# Altium PCB design.PcbDoc (part 1 of 4)
Units mil, origin at the board's own origin, x right, y up, seen from the top; angles counter-clockwise.
Board outline 4704.72 x 3503.94 mil, 6 copper layers (Top, GND, S3, S14, Power, Bottom), stack 57.09 mil thick; 326 components, 365 nets, 1536 pads, 493 vias.
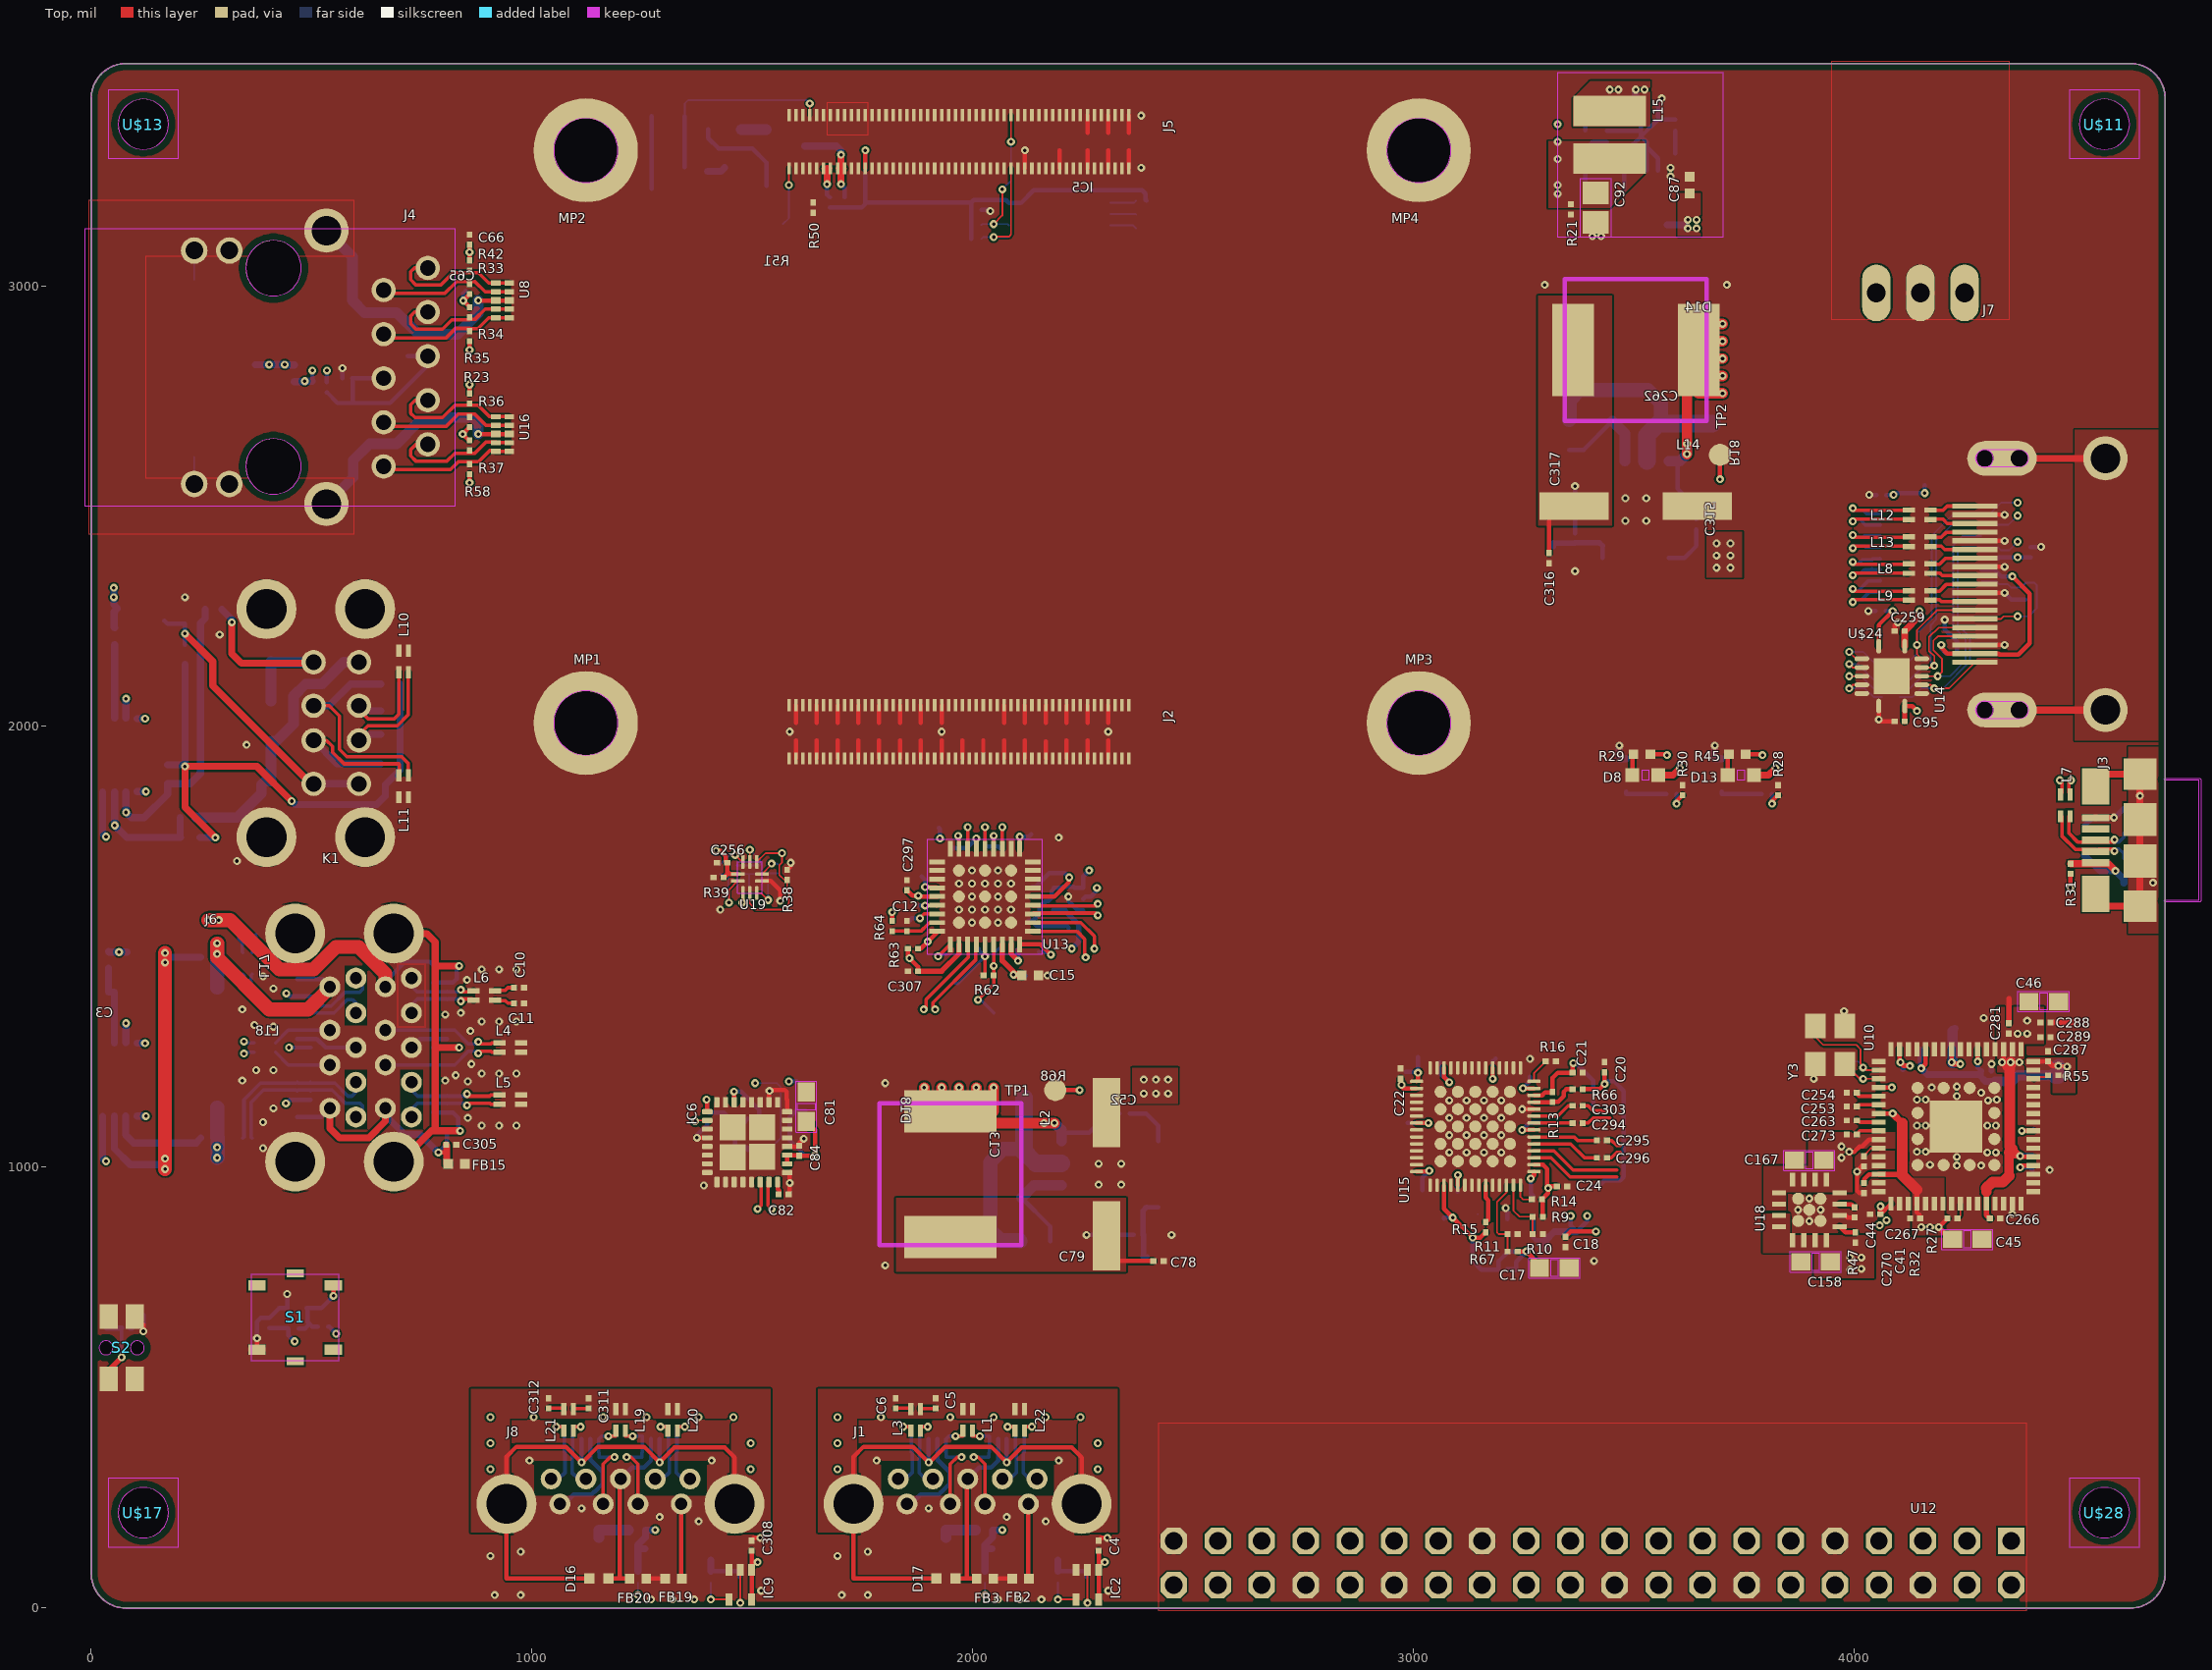
[diagram p0: Top view]
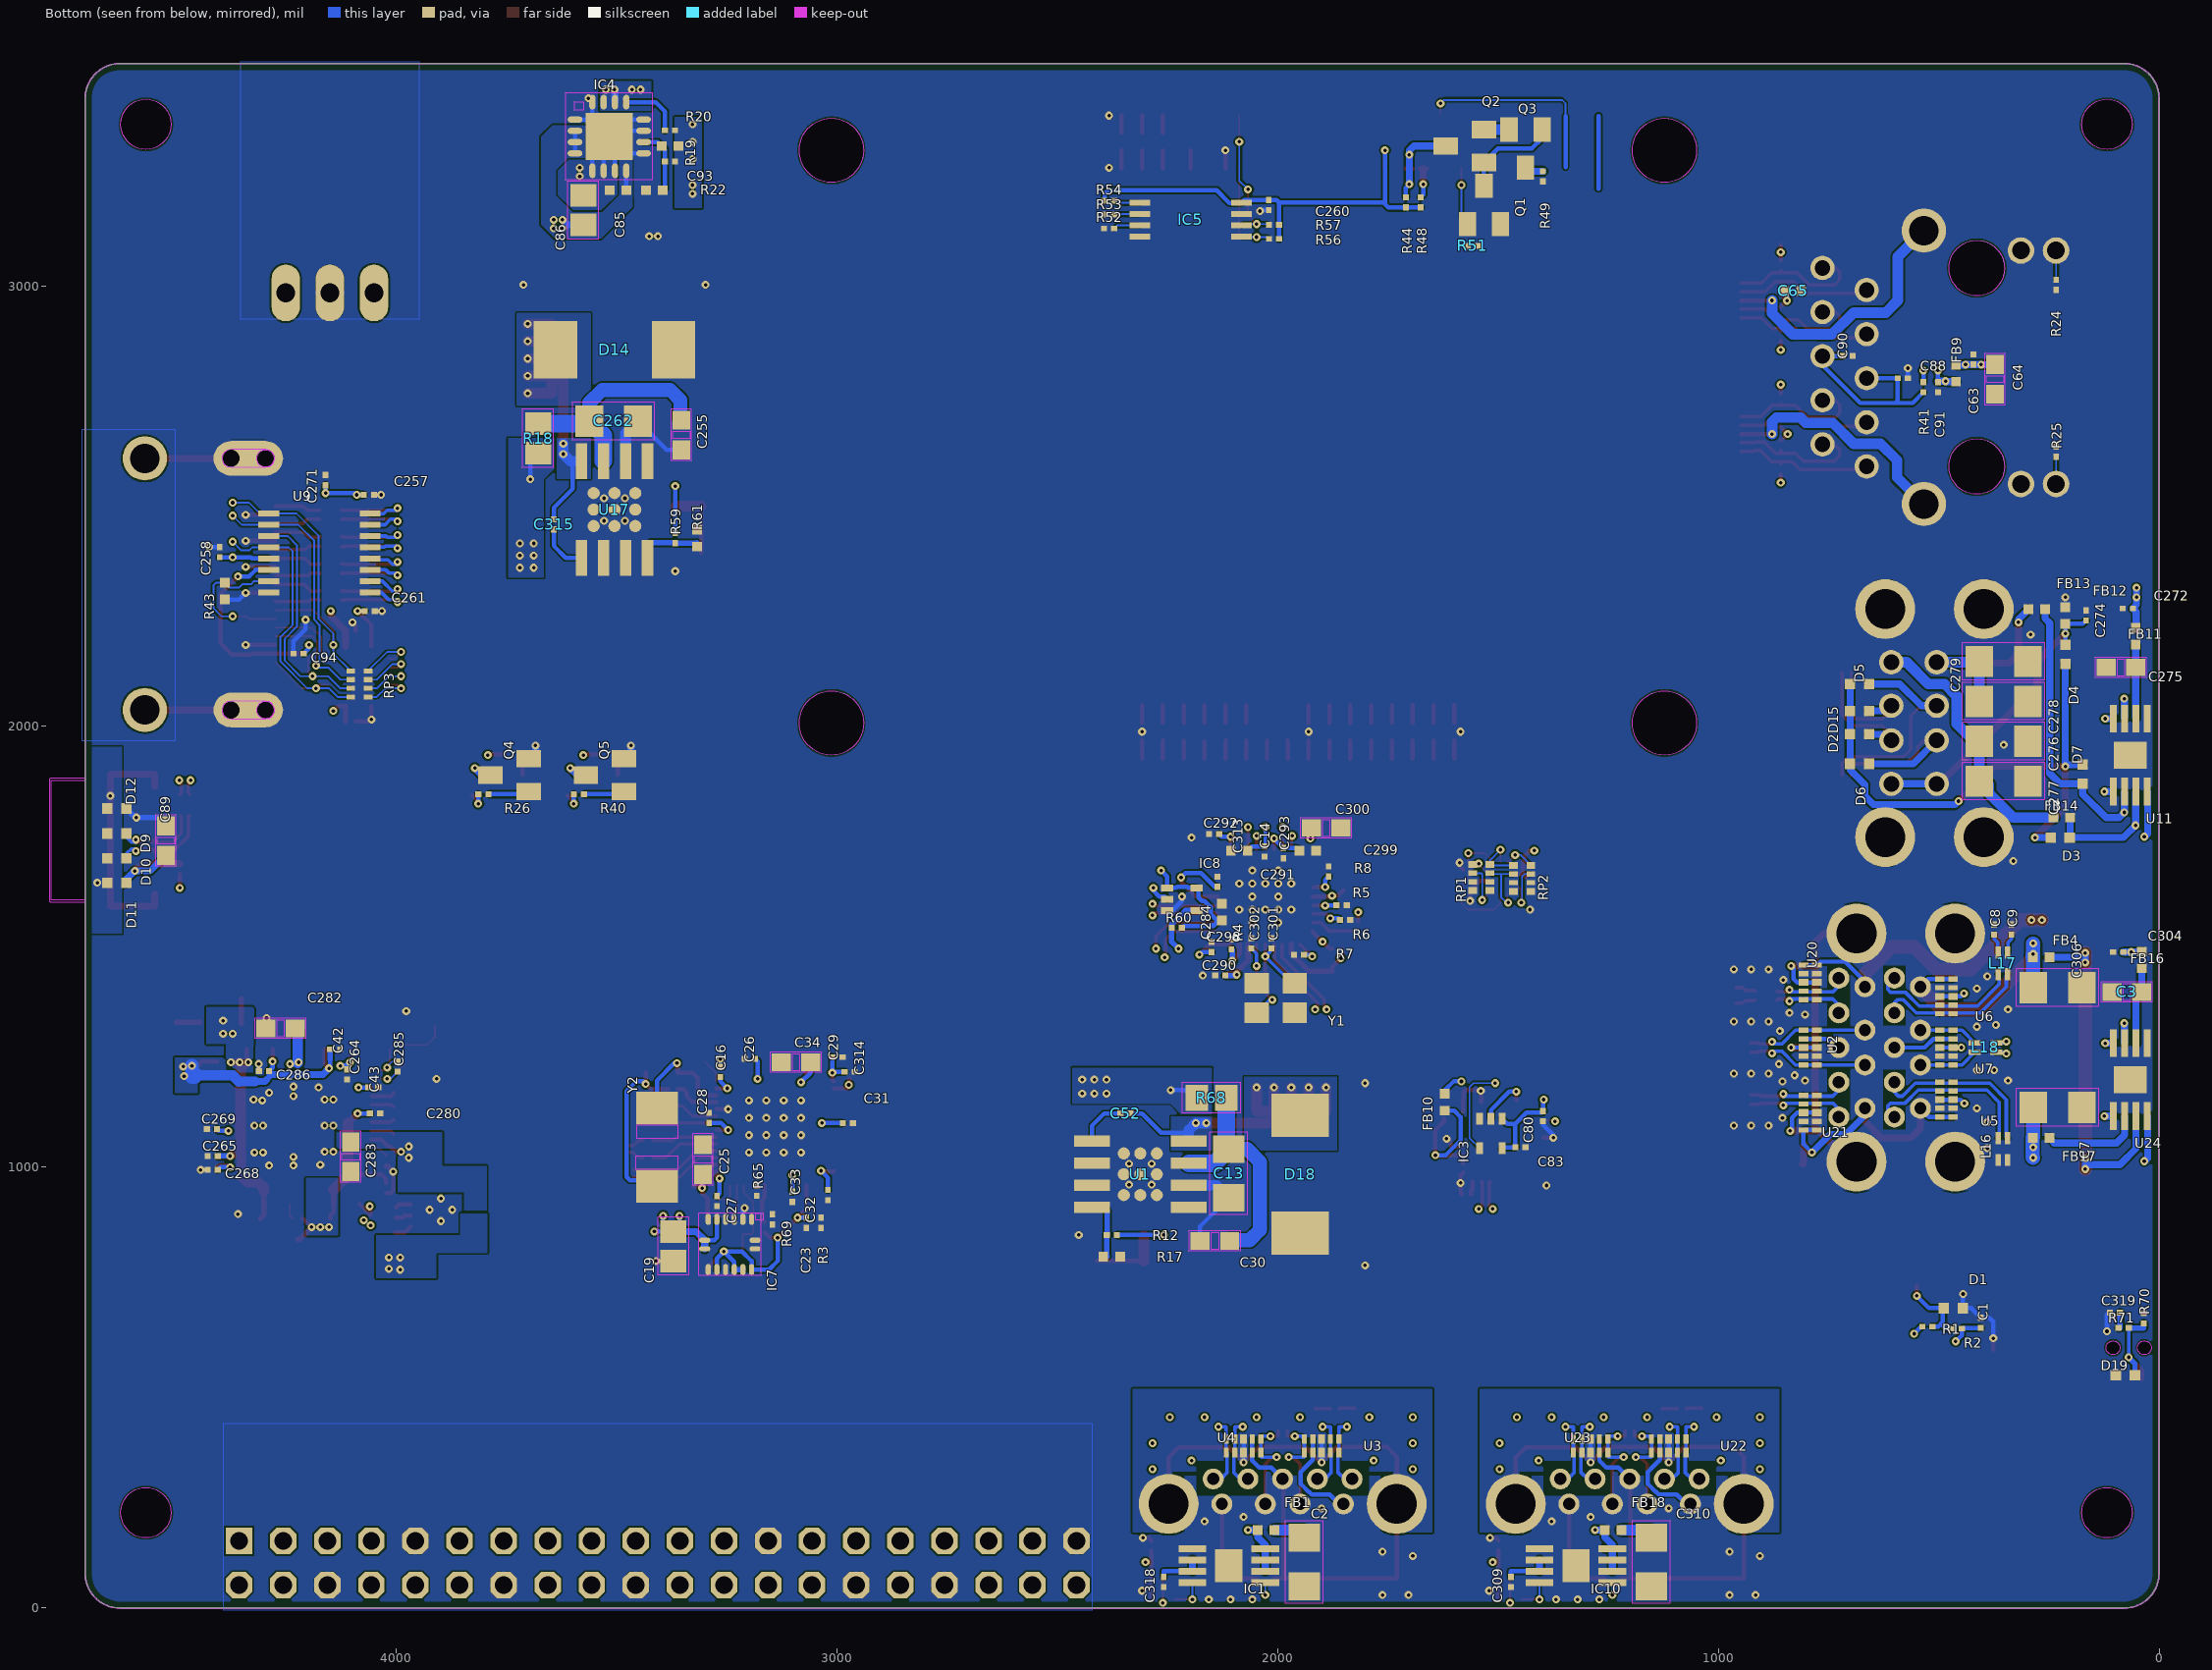
[diagram p1: Bottom view, seen from below]
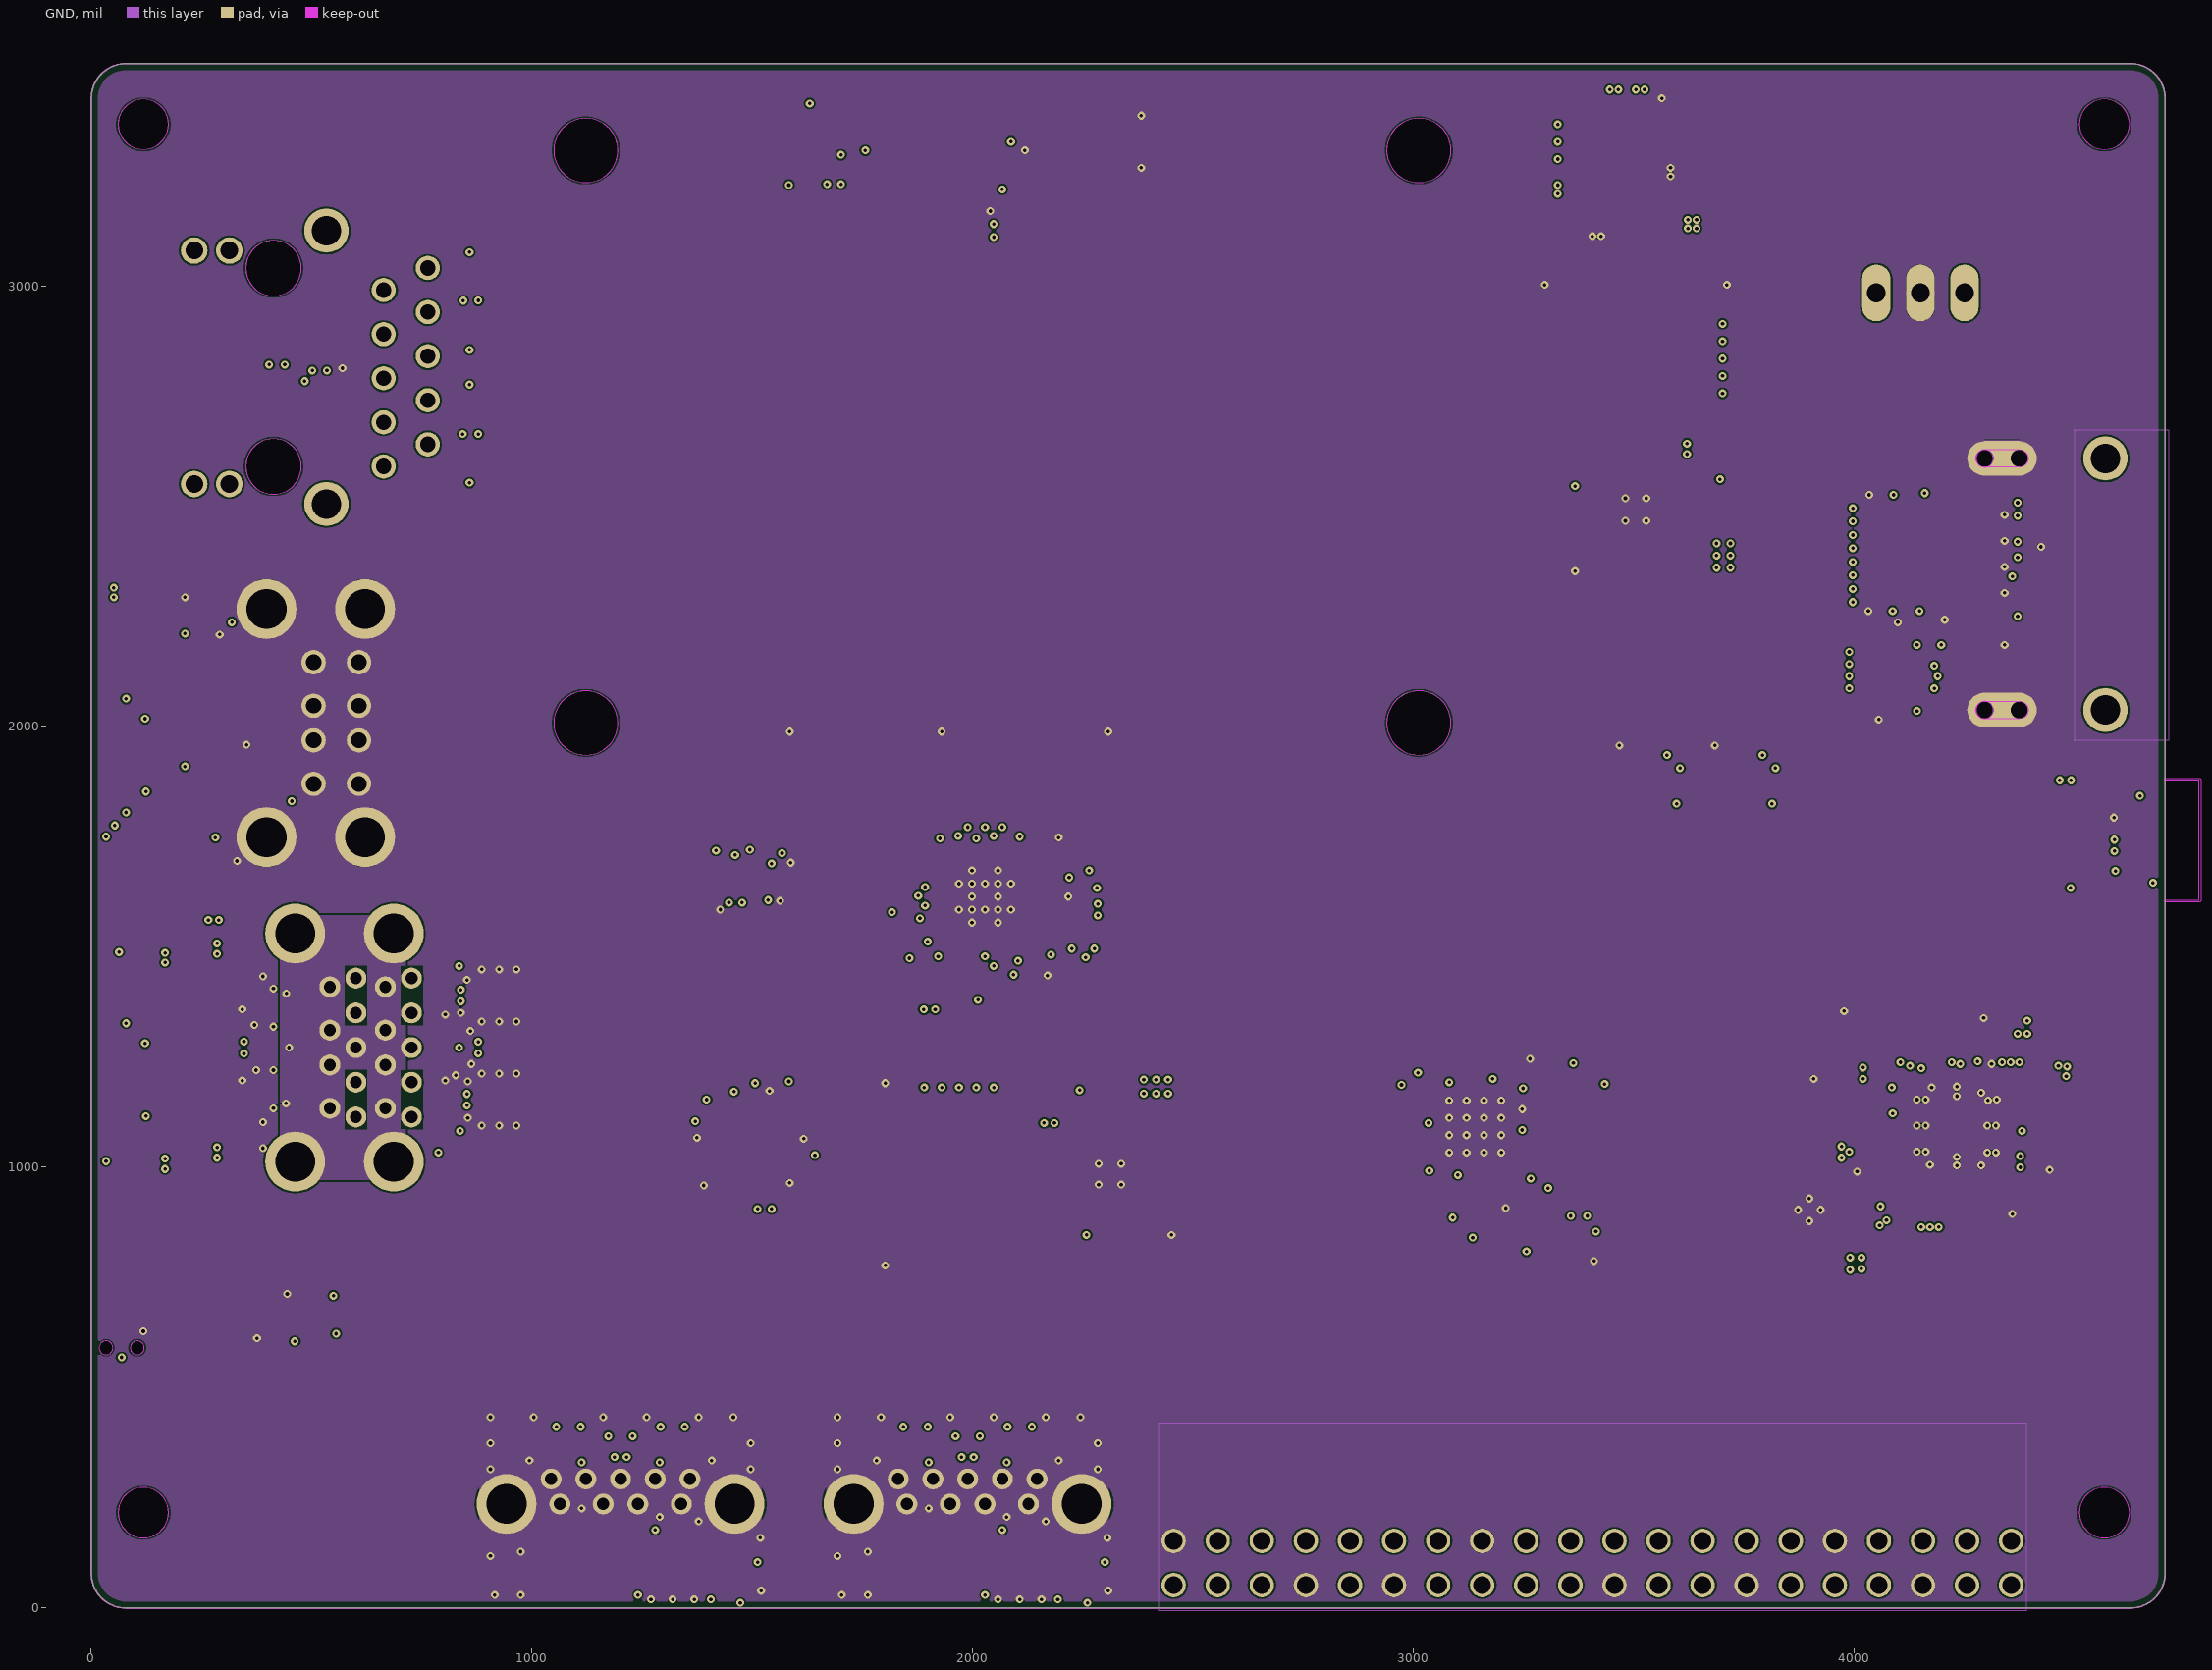
[diagram p2: GND]